# Altium PCB cheriot-test.PcbDoc (part 10 of 12) (continued)
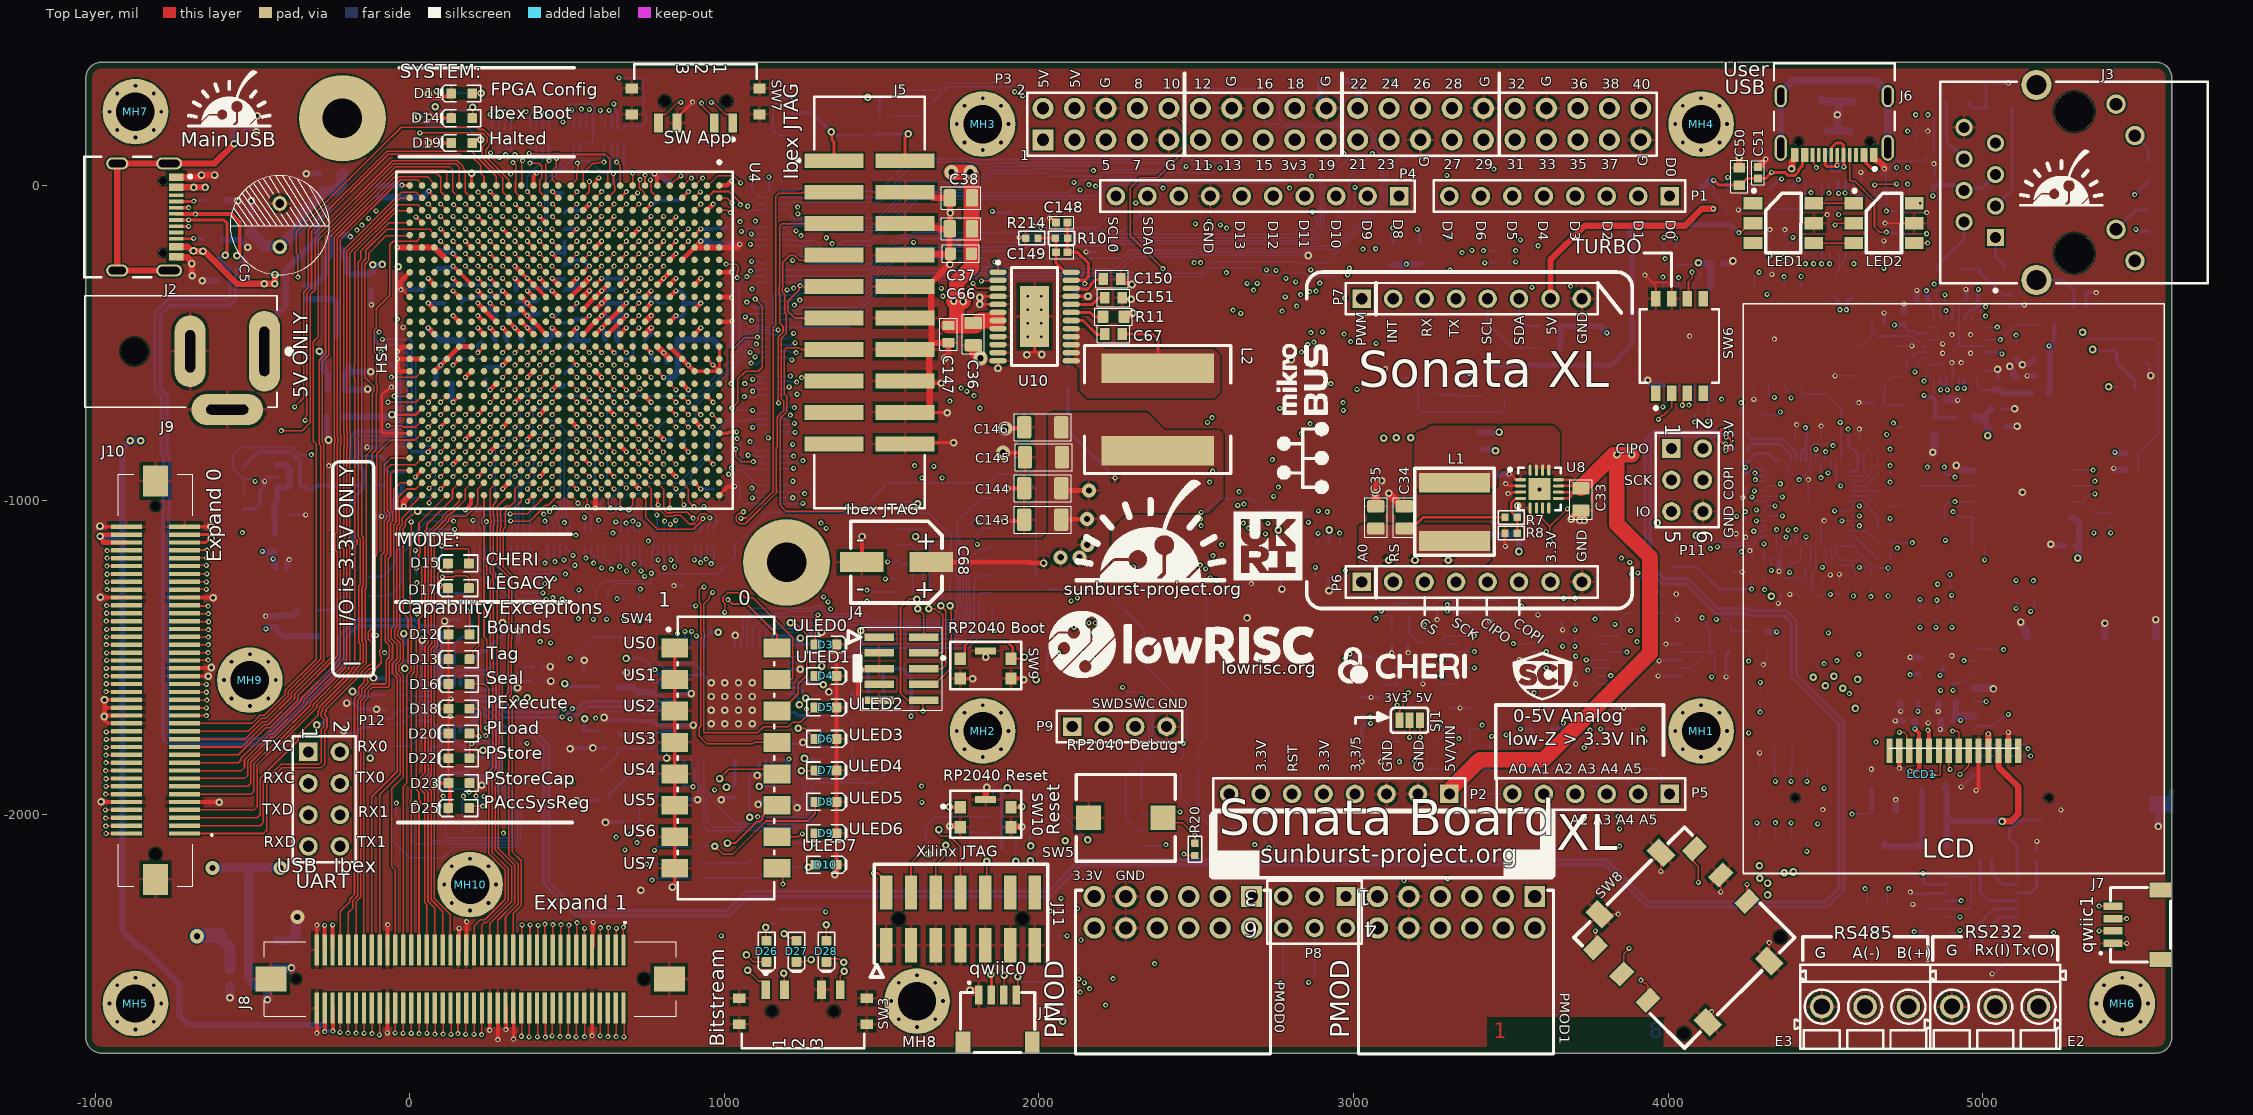
[diagram p0: Top Layer view]
## Nets (pads, with @x,y where several pads share a name; then routed paths per layer and width w, separated by ;. In a path a pad name is that pad's centre, name@x,y a point inside that pad or via, vN(x,y) a via of type N, cw(c..) or ccw(c..) an arc to the next point about the centre after c; other vN are vias at no path point) (continued)
  Bottom Layer w5: R173.3B@1177.13,-627.13 1180.53,-623.72 1194.22,-623.72 1197.28,-620.66 1203.24,-620.66 1205.74,-623.16 1228.55,-623.16 v1(1230.05,-624.66)
PMOD1_8: PMOD1.10 R173.4B | length 3759.4
  Int4 (Sign) w5: v1(1210,-605.5) 1229.58,-605.5 1239.58,-595.5 1252.42,-595.5 1256.92,-600 1460,-600 1508,-648 1508,-1117 1542,-1151 1542,-1301 1508.5,-1334.5 1508.5,-1452.93 1508,-1453.43 1508,-2100 1667.25,-2259.25 2054.89,-2259.25 2063.97,-2250.17 2066.91,-2250.17 2106.08,-2211 2152.07,-2211 2154.65,-2208.42 3097.32,-2208.42 3099.89,-2211 3105,-2211 3130,-2236 3130,-2272.63 3170.37,-2313 3229.06,-2313 3260,-2343.94 PMOD1.10@3260,-2349
  Bottom Layer w5: R173.4B@1177.13,-607.44 1178.1,-606.47 1209.03,-606.47 v1(1210,-605.5)
PMODC_1: P8.1 R194.4B | length 3741.5
  Int3 (Sign) w5: v1(958.5,-1201.5) 931.04,-1228.96 931.04,-1258.53 920,-1269.57 920,-1276.57 857.57,-1339 814.59,-1339 788.59,-1365 765.94,-1365 756.5,-1374.44 756.5,-1395.56 745,-1407.06 745,-1522.48 743.5,-1523.98 743.5,-1553.39 745,-1554.89 745,-1666.43 747,-1668.43 747,-2018 911.29,-2182.29 911.29,-2202.29 1106.5,-2397.5 1982.5,-2397.5 2107,-2522 v1(2127,-2522)
  Int4 (Sign) w5: v1(2127,-2522) 2143.69,-2505.31 2260.16,-2505.31 2273.36,-2518.5 2611.93,-2518.5 2625.12,-2505.31 2963.69,-2505.31 3029,-2440 3029,-2312.94 2992,-2275.94 P8.1@2992,-2264
  Bottom Layer w5: v1@961,-1202 960.6,-1201.6 960.6,-1196.42 966.18,-1190.84 R194.4B@966.18,-1147.13
PMODC_2: P8.2 R186.2 | length 645.9
  Int3 (Sign) w5: v1@2731,-2105 2733.09,-2107.09 2733.09,-2111.8 2875.98,-2254.7 P8.2@2875.98,-2259.92
  Bottom Layer w5: R186.2@2451,-1869 2451,-1943.72 2560.28,-2053 2693,-2053 2720,-2080 2720,-2093.94 2729,-2102.94 v1@2729,-2107
  other v1: 2730.98,-2104.92
PMODC_3: P8.3 R187.2 | length 711.8
  Int3 (Sign) w5: v1(2685.98,-2094.92) 2775.98,-2184.92 P8.3@2775.98,-2259.92
  Bottom Layer w5: R187.2@2506.3,-1863.86 2506.3,-1974.3 2575,-2043 2703,-2043 2748,-2088 2748,-2119 2741,-2126 2719,-2126 2689,-2096 v1@2684,-2096
PMODC_4: P8.4 R194.1B | length 3711
  Int3 (Sign) w5: v1(905,-1190) 903.93,-1191.07 903.93,-1205.5 900,-1209.43 900,-1247.14 890,-1257.14 890,-1264.14 845.14,-1309 802.16,-1309 776.16,-1335 713.14,-1335 697,-1351.14 697,-1484.42 709,-1496.42 709,-1542.86 713.5,-1547.36 713.5,-1565.82 715,-1567.32 715,-1678.86 717,-1680.86 717,-2030.43 728,-2041.43 728,-2072.16 740.38,-2084.54 771.11,-2084.54 798,-2111.43 798,-2131.43 1097.57,-2431 1966,-2431 2095,-2560 2117,-2560 2117,-2561 2118,-2562 2129,-2562 v1(2131,-2564)
  Int6 (Sign) w5: v1(2131,-2564) 2148.45,-2564 2152.95,-2568.5 2178.5,-2568.5 2196.25,-2550.75 2196.25,-2491.43 2199.18,-2488.5 2922.5,-2488.5 2969,-2442 P8.4@2969,-2366
  Bottom Layer w5: v1@905,-1192 906.06,-1190.94 906.06,-1148.19 R194.1B@907.13,-1147.13
PMODC_5: P8.5 R194.2B | length 3568.7
  Int3 (Sign) w5: v1(924.56,-1198.78) 924.56,-1199.01 911.04,-1212.53 911.04,-1250.24 900,-1261.28 900,-1268.28 849.28,-1319 806.3,-1319 780.3,-1345 751.01,-1345 726.51,-1369.5 724.58,-1369.5 715.5,-1378.58 715.5,-1380.51 709,-1387.01 709,-1482.28 719,-1492.28 719,-1538.72 723.5,-1543.22 723.5,-1561.68 725,-1563.18 725,-1674.72 727,-1676.72 727,-2026.28 808,-2107.28 808,-2127.28 1101.72,-2421 1970.14,-2421 2098.21,-2549.07 2124.01,-2549.07 2124.58,-2548.5 2137.42,-2548.5 2141.92,-2553 v1(2161,-2553)
  Int4 (Sign) w5: v1(2161,-2553) 2837,-2553 v1(2857,-2533)
  Bottom Layer w5: v1@925,-1195 925.36,-1195 926.81,-1193.55 R194.2B@926.81,-1147.13 ; v1@2858,-2536 2858,-2532 2875.98,-2514.02 P8.5@2875.98,-2359.92
PMODC_6: P8.6 R194.3B | length 3445.4
  Int3 (Sign) w5: v1(942.51,-1187.88) 941.88,-1188.52 941.88,-1203.38 921.04,-1224.22 921.04,-1254.39 910,-1265.43 910,-1272.43 853.43,-1329 810.44,-1329 784.44,-1355 761.8,-1355 746.5,-1370.3 746.5,-1391.42 735,-1402.92 735,-1518.34 733.5,-1519.84 733.5,-1557.53 735,-1559.03 735,-1670.57 737,-1672.57 737,-2022.14 901.08,-2186.22 901.08,-2206.22 1102.36,-2407.5 1973.5,-2407.5 2103,-2537 2114,-2537 2114.5,-2537.5 2133.42,-2537.5 2134.25,-2536.67 2142.11,-2536.67 v1(2144.21,-2534.57)
  Int4 (Sign) w5: v1(2144.21,-2534.57) 2180.43,-2534.57 2182.17,-2536.31 2766.69,-2536.31 v1(2768,-2535)
  Bottom Layer w5: v1@941,-1191 944.51,-1187.5 944.51,-1149.12 R194.3B@946.5,-1147.13 ; v1@2764,-2533 2767.02,-2533 2775.98,-2524.04 P8.6@2775.98,-2359.92
PWRIN_5V: C2.1 C3.1 C5.1 C33.1 C36.1 C37.1 C38.1 C39.1 C66.1 C147.1 P2.1 P3.2 P3.4 P7.7 Q4.2 Q5.2 R11.2 R19.2 R41.2 SJ1.3 U2.3 U8.9 U8.10 U8.11 U8.12 U10.6 U10.7 U10.8 | length 14495.2
  Top Layer w5: SJ1.3@3210.86,-1699.92 3210.86,-1738.17 3212.42,-1739.73 v1(3212.42,-1753.92)
  Top Layer w8: U8.9@3651.02,-994.45 3682.8,-994.45 C33.1@3702.83,-974.41 ; U8.10@3651.02,-974.76 3651.38,-974.41 C33.1@3702.83,-974.41 ; U8.11@3651.02,-955.08 C33.1@3707.76,-955.08 ; U8.12@3651.02,-935.39 3688.07,-935.39 C33.1@3707.76,-955.08 ; C33.1@3702.83,-974.41 3710.71,-974.41 C33.1@3722.83,-962.28 ; C33.1@3702.83,-974.41 C33.1@3714.96,-962.28 ; C33.1@3707.76,-955.08 C33.1@3714.96,-962.28 ; C33.1@3707.76,-955.08 3715.63,-955.08 C33.1@3722.83,-962.28 ; C33.1@3714.96,-962.28 C33.1@3722.83,-962.28
  Top Layer w20: P7.7@3625.98,-359.92 3625.98,-236.3 3734.65,-127.64 4053.54,-127.64 4107.26,-73.92 v1(4143.98,-73.92)
  Top Layer w25: R11.2@2270.59,-417.13 2270.59,-415.16 2275.81,-409.94 2293.28,-409.94 v2(2297.91,-405.32)
  Top Layer w50: C147.1@1712.6,-444.88 1798.12,-444.88 1813.87,-429.13 U10.7@1870.08,-429.13 ; v4(1722,42) 1772,42 v4@1780,34 ; v2(1729.5,-367.92) 1730.58,-369 v2(1759,-369) ; 1739,-428 1739,-389 ; 1739,-349 1739,-305.98 1785.43,-259.55 v4@1785.43,32.57 ; P2.1@3307,-1919 3401,-1825 3604,-1825 3942,-1487 3942,-1181 3837.01,-1076.01 v2(3837.01,-855.98) ; C33.1@3722.83,-962.28 3722.83,-959.53 3826.38,-855.98 v2(3837.01,-855.98) ; v2(3884.25,-855.98) v2(3837.01,-855.98)
  Int1 (Sign) w20: v1(3368,-597) 3549,-597 3625.98,-520.02 3625.98,-362.37 P7.7@3625.98,-359.92
  Int1 (Sign) w50: v4(-676,-2386) -725,-2337 -725,-942 -638,-855 -383,-855 -285,-757 -285,-529 v2(-287,-527) -285,-525 -285,-259 -350,-194 C5.1@-410,-194 ; C5.1@-410.98,-193.02 -259.95,-42 -176,-42 -50,84 -50,140.26 -29,161.26 -29,312.71 0.29,342 413,342 457,298 694,298 743.05,347.05 1665,347.05 ; v4@1782,37 1777,42 1718,42 1665,95 1665,347.05 ; P3.2@2009,252 2009.75,252.75 2009.75,342.29 2005,347.05 1665,347.05 ; P3.2@2012.99,245.2 P3.4@2112.99,245.2 ; P7.7@3625.98,-362.37 3643.53,-379.92 3643.53,-505.03 3837.01,-698.5 v2(3837.01,-855.98) v2(3884.25,-855.98)
  Int4 (Sign) w12: v1(3212.42,-1753.92) 3304.72,-1846.22 3304.72,-1924 P2.1@3304.72,-1933.94
  Int4 (Sign) w20: v2(1729.5,-367.92) 1730.27,-368.69 1750.69,-368.69 1967,-585 2226,-585 ; v2@2296,-406 2296,-515 2226,-585 ; P2.1@3308,-1924 3304.72,-1924 3294.79,-1924 3264,-1893.21 3264,-1873 2921,-1873 2832,-1784 2832,-1609 2309,-1086 2309,-668 2226,-585
  Bottom Layer w20: v2(-287,-527) -287,-528.08 -273.07,-542.01 -273.07,-577.26 Q5.2@-270.28,-580.06 ; Q5.2@-274.61,-584.39 -260.43,-598.57 C2.1@-260.43,-648.87 ; R19.2@3332,-596.54 3335.46,-600 v1@3371,-600 ; R41.2@4105.98,-73.39 4106.52,-73.92 v1(4143.98,-73.92)
  Bottom Layer w35: U2.3@-599,-2396 -570.87,-2424.13 C39.1@-570.87,-2490.16 ; C3.1@-502.87,-149.69 -502.87,-151.22 -461.52,-192.58 -411.58,-192.58 C5.1@-411,-192 ; C5.1@-410.48,-192.52 -340.82,-122.87 -340.82,-87.77 -271.06,-18 -236.81,-18 -216.3,2.5 -216.3,33.48 Q4.2@-211.6,38.18
  Bottom Layer w50: v4(-676,-2386) -673,-2383 U2.3@-607.68,-2383 ; v4(1722,42) v4(1782,42)
QSPI_CS: R50.1 R57.1 U17.1 | length 477.4
  Int6 (Sign) w5: v1(4705.67,-838.16) 4706.7,-838.16 4904.96,-1036.42 v1(4905.98,-1036.42)
  Bottom Layer w5: R57.1@4705.67,-862.97 v1(4705.67,-838.16) ; v1(4905.98,-1036.42) 4924.48,-1054.92 U17.1@4971.44,-1054.92 4966.3,-1060.06 R50.1@4966.3,-1149.82
QSPI_D0: R47.2 R60.1 U17.5 | length 5069.9
  Int3 (Sign) w5: v1(2090,-2385) 2090,-2411.14 2245.63,-2566.78 3872.27,-2566.78 3890.42,-2584.92 3988.28,-2584.92 3998.28,-2574.92 4038,-2574.92 4075.92,-2537 4261.13,-2537 4459.84,-2338.28 4459.84,-2326.16 4547.93,-2238.07 4547.93,-1783.93 4575.98,-1755.88 4575.98,-1670.56 4575.5,-1670.08 4575.5,-1653.92 4575.98,-1653.44 v1(4575.98,-1614.92)
  Int6 (Sign) w5: v1(4575.98,-1614.92) 4573.88,-1617.03 4563.55,-1617.03 4563.08,-1617.5 4546.92,-1617.5 4535.5,-1606.08 4535.5,-1596.08 4507.5,-1568.08 4507.5,-1553.36 4480.48,-1526.34 4480.48,-1250.3 4571.68,-1159.1 4584.07,-1159.1 4675.26,-1067.91 4675.26,-972.88 v1(4705.35,-942.79) 4793.89,-1031.32 4793.89,-1033.35 4805.31,-1044.78 4807.34,-1044.78 4824.48,-1061.92 5193.98,-1061.92 v1(5350.98,-904.92)
  Bottom Layer w5: R47.2@2052,-2385.69 2052.69,-2385 2089,-2385 v1@2090,-2386 ; R60.1@4705.35,-967.6 v1(4705.35,-942.79) ; U17.5@5280.53,-904.92 v1(5350.98,-904.92)
QSPI_D1: R48.2 R55.1 U17.2 | length 580.9
  Int6 (Sign) w5: v1(4694.54,-791.46) 4766.14,-791.46 4771.76,-785.84 4840.39,-785.84 4924.58,-870.03 4924.58,-870.94 4935.48,-881.84 4935.48,-925.1 4924.58,-936 4924.58,-991.33 v1(4910.98,-1004.92)
  Bottom Layer w5: v1(4694.54,-791.46) 4696.63,-793.55 4696.63,-801.62 R55.1@4705.67,-810.65 ; R48.2@4881.05,-1063.61 4881.05,-1019.86 4895.48,-1005.42 4910.48,-1005.42 v1(4910.98,-1004.92) U17.2@4971.44,-1004.92
QSPI_D2: R46.2 R49.2 R61.1 U17.3 | length 293
  Bottom Layer w5: R61.1@4705.35,-1019.92 4730.98,-1019.92 4795.98,-954.92 4823.76,-954.92 4880.98,-954.92 U17.3@4971.44,-954.92
QSPI_D3: R45.2 R51.2 R63.1 U17.7 | length 907.5
  Int6 (Sign) w5: v1(4705.67,-1058.16) 4719.43,-1071.92 5263.98,-1071.92 v1(5355.98,-979.92)
  Bottom Layer w5: R63.1@4705.67,-1082.97 v1(4705.67,-1058.16) ; U17.7@5280.53,-1004.92 5317.89,-1004.92 ; v1(5355.98,-979.92) 5353.88,-982.03 5340.79,-982.03 5317.89,-1004.92 ; R51.2@5405.98,-1040.24 R45.2@5353.21,-1040.24 5317.89,-1004.92
QSPI_SCLK: R52.1 R59.1 U17.6 | length 1892.1
  Int3 (Sign) w5: v1(4293,-1579) 4568,-1304 4568,-1173.91 4720.85,-1021.06 4720.85,-928.92 4705.67,-913.74 v1(4705.67,-890.48)
  Int6 (Sign) w5: v1(4705.67,-890.48) 4820.97,-1005.78 4821.46,-1005.78 4832.89,-1017.2 4832.89,-1017.69 4867.12,-1051.92 5004.46,-1051.92 5191.46,-864.92 5345.98,-864.92 5375.98,-894.92 5375.98,-919.92 v1(5355.98,-939.92)
  Bottom Layer w5: R52.1@4291,-1611.32 4293,-1609.32 4293,-1582 v1@4295,-1580 ; R59.1@4705.67,-915.29 v1(4705.67,-890.48) ; U17.6@5280.53,-954.92 5340.98,-954.92 v1(5355.98,-939.92)
RGBLED0: Q3.1 R193.2 R205.1 U4.G16 | length 6616.9
  Top Layer w5: U4.G16@748.03,-590.55 v1(767.72,-610.24)
  Int1 (Sign) w5: v1(1082.32,-530.55) 1084.43,-528.44 1143.33,-528.44 1184.89,-570 1292.28,-570 1296.78,-574.5 1603,-574.5 ; 1603.75,-573.75 1786.75,-573.75 1873,-660 1914.86,-660 1987.5,-587.36 1987.5,-586.5 2165.5,-408.5 2165.5,-370.08 2175.5,-360.08 2175.5,-343.92 2165.5,-333.92 2165.5,-204.58 2159,-198.08 v1(2159,3)
  Int3 (Sign) w5: v1@2158.93,4.93 v1@2158.93,7 ; v1@2159,7 2159.41,6.59 2162.59,6.59 2174,18 2568,18 2585,1 ; 2585,0.16 2585,-48 2608,-71 2826.58,-71 2862.58,-107 3941,-107 3977.04,-70.96 4037.36,-70.96 4128.79,20.47 4128.79,22.5 4283.29,177 4681,177 4749,245 4801.07,245 4804,242.07 4804,68.5 4895.98,-23.48 4895.98,-199.98 5162.22,-466.22 v2(5317.32,-466.22)
  Int4 (Sign) w5: v1(767.72,-610.24) 800.96,-577 825.93,-577 835.93,-567 867.78,-567 889.77,-545 1018.62,-545 1035.62,-528 1056.21,-528 1058.76,-530.55 v1(1082.32,-530.55)
  Bottom Layer w5: v2(5317.32,-466.22) 5338.98,-487.87 Q3.1@5510.24,-487.87 5543.7,-487.87 5557.48,-501.65 5557.48,-789.06 R193.2@5494.49,-852.05 R205.1@5494.49,-903.23
RGBLED_EN: Q7.1 U4.H16 | length 2912
  Top Layer w5: U4.H16@708.66,-590.55 v1(728.35,-610.24)
  Int4 (Sign) w5: v1(728.35,-610.24) 745.8,-610.24 783.03,-573 790.81,-573 796.81,-567 821.79,-567 853.79,-535 1014.48,-535 1043.48,-506 1084.18,-506 1086.36,-503.82 v1(1102.18,-503.82)
  Int6 (Sign) w5: v1@2972,-360 2970,-360 2939,-391 2939,-618.88 2943.1,-622.98 2943.1,-623.1 2968,-648 v1(3011,-648)
  Bottom Layer w5: v1(1102.18,-503.82) 1089.5,-491.14 1089.5,-475.58 1098.58,-466.5 1111.42,-466.5 1114.92,-470 1146.11,-470 1150.46,-474.35 1177.42,-474.35 1201.77,-450 1401,-450 1552,-299 1644,-299 1645.5,-300.5 1779.58,-300.5 1785.08,-295 1803.08,-295 1810.58,-287.5 1823.42,-287.5 1834.42,-298.5 2008.99,-298.5 2010.99,-296.5 2152.42,-296.5 2154.92,-299 2262,-299 2271.5,-289.5 2515.64,-289.5 2543.64,-261.5 2698.5,-261.5 2707.5,-270.5 2707.5,-274.42 2716.58,-283.5 2720.5,-283.5 2722.5,-285.5 2761.62,-285.5 2767.62,-279.5 2846.56,-279.5 2855.06,-288 2934,-288 2969,-323 2969,-350 2969.9,-350.9 2969.9,-355.9 v1(2972,-358) ; v1(3011,-648) 3012,-649 3028,-649 Q7.1@3029,-650
RP2040_CLK: R70.1 U4.P20 | length 5235.9
  Top Layer w5: v1(452.76,-767.72) U4.P20@472.44,-748.03
  Int1 (Sign) w5: v1(445.13,-1036.75) 445.13,-1016.95 446,-1016.08 446,-1008 468.26,-985.74 468.26,-783.22 v1(452.76,-767.72) ; v1(1324,-1090) 1338,-1076 1367.51,-1076 1368.01,-1076.5 1413.99,-1076.5 1414.49,-1076 1761,-1076 1805,-1120 1805,-1140.5 v1(1804.5,-1141)
  Int4 (Sign) w5: v1(445.13,-1036.75) 446.88,-1038.5 465.5,-1038.5 476.42,-1049.42 476.42,-1077.63 494.29,-1095.5 560.86,-1095.5 585.86,-1120.5 720.5,-1120.5 738.2,-1102.8 1058.06,-1102.8 1118.12,-1042.74 1299.66,-1042.74 1324,-1067.08 v1(1324,-1090) ; v1(1804.5,-1141) 1855.95,-1192.45 1855.95,-1203.95 1905.29,-1253.29 2006,-1253.29 2034.29,-1225 2290.08,-1225 2296.87,-1231.8 v1(2296.87,-1232.77) v1@2297,-1232.89 ; v1@2479.62,-1191.62 2479.95,-1191.29 v1(2480.71,-1191.29) v1@2481,-1191 ; v1@2481,-1191.29 2531.12,-1191.29 2531.83,-1192 2660,-1192 2702,-1150 2702,-1103 2714.5,-1090.5 2737.92,-1090.5 2816.42,-1012 2905.64,-1012 2915.14,-1021.5 2923.42,-1021.5 2932.5,-1030.58 2932.5,-1043.5 2973,-1084 ; 2974.46,-1083.46 3263.53,-1083.46 3266.85,-1080.15 3567.84,-1080.15 3578.06,-1069.92 3617.38,-1069.92 3657.66,-1110.21 3683.85,-1110.21 4043.56,-1469.92 4445.98,-1469.92 v1(4495.98,-1519.92)
  Int6 (Sign) w5: v1(2296.87,-1232.77) 2400.23,-1232.77 2441.71,-1191.29 v1(2480.71,-1191.29) 2483.29,-1191.29 v1@2485,-1193 ; v1(4495.98,-1519.92) 4495.98,-1459.92 4595.98,-1359.92 4595.98,-1322.73 4590.64,-1317.39 4590.64,-1306.84 v1(4588.54,-1304.73)
  Bottom Layer w5: v1(4588.54,-1304.73) 4588.54,-1302.36 4594.18,-1296.72 R70.1@4594.18,-1279.92
RP2040_LED0: D26.K U11.38 | length 5231.2
  Top Layer w5: v2(1070.43,-2445.57) 1070.85,-2445.57 1092.8,-2467.52 D26.K@1134.53,-2467.52
  Int1 (Sign) w5: v2(1070.43,-2445.57) 1074.06,-2441.94 1089.7,-2441.94 1092.64,-2439 1220,-2439 1263,-2396 2074,-2396 2095.5,-2417.5 2342.8,-2417.5 2343.8,-2416.5 3031.65,-2416.5 3032.65,-2417.5 3720.5,-2417.5 3729.57,-2408.44 3729.57,-2386.69 3828.26,-2288 4079.39,-2288 4110.93,-2319.54 4118.32,-2319.54 4272.22,-2165.64 4286.36,-2165.64 v2(4290,-2162) ; v1(4274.18,-970.57) 4343.21,-970.57 4349.32,-964.46 4384.6,-964.46 4390.71,-970.57 4602.57,-970.57 4614.93,-982.93 4629.07,-982.93 4643.28,-997.14 4643.28,-1285.39 4624.04,-1304.64 4624.04,-1471.91 4631.48,-1479.36 4631.48,-1500.48 4591.47,-1540.5 4589.78,-1540.5 4572.5,-1557.78 4572.5,-1559.47 4562.97,-1569 4548.83,-1569 4528.83,-1589 4503,-1589 4502,-1590 v2(4500,-1590)
  Int4 (Sign) w5: v2@4290,-2160 4292,-2160 4307.5,-2144.5 4307.5,-1891.2 4316.08,-1882.62 4316.08,-1773.92 v2(4500,-1590)
  Bottom Layer w5: v1(4274.18,-970.57) 4274.49,-970.88 4309.85,-970.88 U11.38@4310.16,-971.19
RP2040_LED1: D27.K U11.37 | length 4954.4
  Top Layer w5: D27.K@1229.53,-2467.52 1253.48,-2467.52 1256.86,-2464.14 1272.36,-2464.14 v2(1276,-2460.5)
  Int1 (Sign) w5: v2(1276,-2460.5) 1280.58,-2460.5 1292.08,-2449 2353.72,-2449 2355.22,-2447.5 2381.92,-2447.5 2383.42,-2449 3775,-2449 3831,-2393 4178,-2393 v2(4316,-2255) ; v1(4362.91,-989.96) 4375.88,-1002.93 4378.9,-1002.93 4620.36,-1002.93 4623.28,-1005.86 4623.28,-1277.11 4604.04,-1296.35 4604.04,-1463.79 4527.33,-1540.5 4505.25,-1540.5 4492.96,-1552.78 4473.43,-1552.78 4463.21,-1563 v2(4461,-1563)
  Int4 (Sign) w5: v2(4316,-2255) 4289.62,-2255 4267.5,-2232.88 4267.5,-2070.66 4297.5,-2040.66 4297.5,-1887.06 4306.08,-1878.48 4306.08,-1717.92 v2(4461,-1563)
  Bottom Layer w5: U11.37@4310.16,-986.93 4311.59,-988.37 4361.32,-988.37 v1(4362.91,-989.96)
RP2040_LED2: D28.K U11.36 | length 5081.8
  Top Layer w5: D28.K@1324.53,-2467.52 1333.84,-2458.21 1364.57,-2458.21 1374.86,-2468.5 v2(1380,-2468.5)
  Int1 (Sign) w5: v2(1380,-2468.5) 1380.08,-2468.42 2350.66,-2468.42 2361.58,-2457.5 2377.78,-2457.5 2379.28,-2459 4153,-2459 4365.44,-2246.56 4365.44,-2192.84 v2@4371.28,-2187 ; v1(4266.02,-989.92) 4338,-989.92 4353.46,-974.46 4380.46,-974.46 4381.98,-975.98 4398.93,-992.93 4624.93,-992.93 4633.28,-1001.28 4633.28,-1281.25 4614.04,-1300.49 4614.04,-1476.06 4621.48,-1483.5 4621.48,-1496.34 4587.33,-1530.5 4585.64,-1530.5 4562.5,-1553.64 4562.5,-1555.33 4558.83,-1559 4528,-1559 v2(4527,-1560)
  Int4 (Sign) w5: v2(4369.07,-2184.07) 4365.44,-2180.43 4365.44,-2169.44 4364,-2168 4364,-2103.95 4468.82,-1999.13 4498.26,-1999.13 4543.6,-1953.8 4543.6,-1726.84 4588.94,-1681.5 4603.08,-1681.5 4614.5,-1670.08 4614.5,-1653.92 4603.08,-1642.5 4586.92,-1642.5 4583.42,-1646 4571,-1646 4527,-1602 v2(4527,-1560)
  Bottom Layer w5: v1(4266.02,-989.92) 4278.78,-1002.68 U11.36@4310.16,-1002.68
RP2040_LED3: R156.1 U11.27 | length 6744.3
  Int3 (Sign) w5: v1(3533,-632) 3582,-583 4214,-583 4248.18,-617.18 4248.18,-694.65 4230.8,-712.03 4087.88,-712.03 4070.91,-729 3974.56,-729 3973.37,-727.81 3825.19,-727.81 3763,-790 3763,-1216 3817,-1270 3950,-1270 4007.08,-1212.92 4316.16,-1212.92 4326.24,-1223 v1(4328,-1223)
  Int4 (Sign) w5: v2(87,300) 109,322 416.78,322 451.32,356.54 452.78,358 666.9,362.02 ; 666.93,362.02 ccw(c666.81,367.02) 670.34,363.48 670.86,364 1203.7,364 1283.14,358 1636.57,4.57 1974.57,4.57 1976,6 2059,6 ; 2060,7 2063.57,3.43 2091.65,3.43 2142.58,-47.5 2184.49,-47.5 2194.99,-58 2216.28,-58 2218.28,-60 2218.42,-60 2229.42,-71 2375,-71 2393.21,-52.79 2393.21,-33.09 2429.39,3.09 2583.91,3.09 2600,-13 2600,-60.07 2602.93,-63 2617.13,-63 2628.13,-74 2677.14,-74 2725.61,-122.47 3089.45,-122.47 3117.99,-151.01 3161.81,-151.01 3165.75,-154.95 3271.03,-154.95 3295.62,-179.54 3295.76,-179.54 3329.5,-213.28 3329.5,-219.42 3338.58,-228.5 3346.5,-228.5 3356,-238 3387.08,-238 3410.58,-261.5 3504.5,-261.5 v1(3567,-324)
  Int6 (Sign) w5: v1@3531,-632 v1(3533,-632) 3576,-589 3576,-335.98 3567,-326.98 v1(3567,-324)
  Bottom Layer w5: v2(87,300) 87.19,299.81 105.27,299.81 R156.1@112.41,292.68 ; v1(4328,-1223) 4328,-1188.99 4337.17,-1179.82 4352,-1179.82 4359.37,-1172.45 U11.27@4359.37,-1146.38
RP2040_N: R58.1 U12.4 | length 7224
  Top Layer w10: v1@4184,-843 4185.15,-841.85 4192.15,-841.85 4201,-833 4201,-808.86 4195.14,-803 4188.62,-803 4185.62,-800 v1(4184,-800)
  Bottom Layer w10: U12.4@213.96,-1662.02 215.8,-1663.86 244.49,-1663.86 260.63,-1680 263.23,-1680 289,-1705.77 289,-1708.37 301.63,-1721 385.63,-1721 442,-1777.37 442,-2213 534,-2305 1008,-2305 1069,-2244 2029,-2244 2130.08,-2142.92 3803.55,-2142.92 3937.63,-2277 4499,-2277 4542,-2234 4542,-1712 4392,-1562 4392,-1390 4369,-1367 4255,-1367 4249.38,-1361.38 4151.38,-1361.38 4056,-1266 3980.37,-1266 3927,-1212.63 3927,-806.37 3952.99,-780.38 4161.62,-780.38 4181.24,-800 v1(4184,-800) ; v1(4182.76,-843) 4185.84,-839.92 R58.1@4211.61,-839.92 R58.1@4204.8,-833.11
RP2040_NRST: R71.1 R74.2 SW10.1 SW10.2 U11.26 | length 5261
  Top Layer w10: v2(1715,-1975) 1716,-1975 1717.38,-1976.38 SW10.1@1750,-1976.38 ; SW10.2@1911.42,-1976.38 1943.62,-1976.38 v2(1946,-1974)
  Int1 (Sign) w5: v1(969,-1921) 981,-1933 1673,-1933 1713,-1973 v2@1716,-1973 ; v2(1715,-1975) 1715.5,-1974.5 v2@1946.5,-1974.5 ; v2@1949,-1977 v2@1946.5,-1974.5 ; v2@1952,-1974 1951.5,-1974.5 v2@1946.5,-1974.5 ; v1(3830.98,-1394.92) 3743.21,-1394.92 3710.22,-1427.92 3467.22,-1427.92 3169.83,-1725.31 2588.8,-1725.31 2536.38,-1672.89 2347.04,-1672.89 2308.56,-1634.42 2035,-1634.42 1946,-1723.42 v2(1946,-1974) v2@1946.5,-1974.5
  Int3 (Sign) w5: v1(3830.98,-1394.92) 4196.47,-1394.92 v1(4306.72,-1284.67)
  Int6 (Sign) w5: v1(189.2,-1928.08) 191.31,-1925.97 204.11,-1925.97 204.58,-1925.5 220.8,-1925.5 221.3,-1926 365.5,-1926 410,-1881.5 522.5,-1881.5 524,-1883 550,-1883 629,-1962 778.5,-1962 819.5,-1921 889.08,-1921 894.58,-1926.5 907.42,-1926.5 912.92,-1921 v1(969,-1921) ; v1(4306.72,-1284.67) 4305.67,-1283.62 4305.67,-1186.1 v1(4375.12,-1116.65)
  Bottom Layer w5: R74.2@62.13,-1852.13 62.13,-1912.13 70,-1920 ; 70,-1919.5 182.5,-1919.5 189.2,-1926.2 v1(189.2,-1928.08) ; R71.1@4305.67,-1250.05 4306.72,-1251.11 v1(4306.72,-1284.67) ; U11.26@4375.12,-1146.38 v1(4375.12,-1116.65)
RP2040_P: R56.1 U12.5 | length 7224.9
  Top Layer w10: v1(4182.76,-821) 4181.62,-819.85 4172.85,-819.85 4164,-811 4164,-781.86 4169.86,-776 v1@4184,-776
  Bottom Layer w10: U12.5@213.96,-1681.71 215.8,-1679.86 237.86,-1679.86 254,-1696 256.6,-1696 273,-1712.4 273,-1715 295,-1737 379,-1737 426,-1784 426,-2219.63 527.37,-2321 1014.63,-2321 1075.63,-2260 2035.63,-2260 2136.71,-2158.92 3796.92,-2158.92 3931,-2293 4505.63,-2293 4558,-2240.63 4558,-1705.37 4408,-1555.37 4408,-1383.37 4375.63,-1351 4261.63,-1351 4256.01,-1345.38 4158.01,-1345.38 4062.63,-1250 3987,-1250 3943,-1206 3943,-813 3959.62,-796.38 4154.99,-796.38 4166,-807.38 4166,-807.46 v1@4176.54,-818 ; v1(4187,-776) 4191.79,-780.79 4204.49,-780.79 R56.1@4211.3,-787.6 R56.1@4204.49,-794.42
RP2040_PREQ: R171.2 U11.8 | length 1975.4
  Int1 (Sign) w5: v1(2856.69,-1070.42) 2872.5,-1086.22 2904.2,-1086.22 2914.92,-1075.5 2931.08,-1075.5 2941.8,-1086.22 3472.29,-1086.22 3497.38,-1111.32 3529.74,-1111.32 3549.74,-1131.32 3598.81,-1131.32 3617.99,-1112.14 3773.2,-1112.14 3836.53,-1175.47 3839.48,-1175.47 3848.01,-1184 v1(3850.98,-1184)
  Int3 (Sign) w5: v1(3850.98,-1184) 3853.37,-1184 3863.14,-1174.23 3866.67,-1174.23 3906.91,-1134 3988.86,-1134 3996.25,-1141.39 4076.21,-1141.39 4076.76,-1141.93 4101.2,-1141.93 4106.13,-1137 4132.14,-1137 4135.98,-1133.16 4211.24,-1133.16 4230.48,-1113.92 4230.48,-1111.24 4260.55,-1081.18 4299.07,-1081.18 4361.81,-1018.43 v1(4607.78,-1018.43)
  Bottom Layer w5: R171.2@2835.69,-1030 2856.69,-1051.01 v1(2856.69,-1070.42) 2856.69,-1070.69 v1@2857,-1071 ; U11.8@4581.81,-1018.43 v1(4607.78,-1018.43)
RP2040_RX: R68.1 U4.M25 | length 7641
  Top Layer w5: U4.M25@551.18,-944.88 v1(570.87,-964.57)
  Int3 (Sign) w5: v1(991,-2385) 1037.43,-2385 1093.43,-2441 1905,-2441 2131,-2667 3345,-2667 3388,-2624 3854,-2624 3866,-2636 4074,-2636 4106,-2668 4689,-2668 4717,-2640 4717,-2293.3 4736.48,-2273.81 4736.48,-2073.46 4630.48,-1967.46 4630.48,-1798.52 v1(4660,-1769)
  Int6 (Sign) w5: v1(570.87,-964.57) 603.3,-997 631.83,-997 634.9,-1000.07 664.31,-1000.07 667.38,-997 698.62,-997 710.22,-1008.6 718.6,-1008.6 749,-1039 749,-1063.1 771,-1085.1 771,-1086 839.5,-1154.5 844.59,-1154.5 877.09,-1187 882,-1187 889.5,-1194.5 889.5,-1196.42 907.36,-1214.28 926.28,-1214.28 1010,-1298 1017.92,-1298 1027,-1307.08 1027,-1326.42 1016.17,-1337.25 998.83,-1337.25 985.5,-1350.58 985.5,-1364.5 993.5,-1372.5 1007.5,-1372.5 1191.62,-1556.62 1191.62,-1558 1220.62,-1587 1222,-1587 1244.69,-1609.69 1266.69,-1609.69 1283.12,-1626.12 1283.12,-1630.08 1297,-1643.97 1297,-1955 1202,-2050 1127,-2050 1126,-2051 933,-2051 924,-2060 924,-2227 961,-2264 967,-2264 991,-2288 v1(991,-2385) ; v1(4660,-1769) 4660,-1591 4579,-1510 4579,-1478 4595.98,-1461.02 4595.98,-1429.92 4675.98,-1349.92 4675.98,-1327.56 v1(4698.81,-1304.73)
  Bottom Layer w5: v1(4698.81,-1304.73) 4698.81,-1297.77 R68.1@4698.81,-1279.92
RP2040_SPARE: R69.1 U4.P4 | length 5776
  Top Layer w5: v1(454.39,-98.6) 454.39,-99.33 472.44,-117.38 U4.P4@472.44,-118.11
  Int1 (Sign) w5: v1(2513.2,-1060.03) 2500,-1046.83 2500,-997 2523,-974 2595.5,-974 2596.5,-975 2634.46,-975 v1(2636.5,-972.96)
  Int4 (Sign) w5: v1(454.39,-98.6) 470,-82.99 470,-8 469,-7 469,20 488,39 493,39 493.57,39.57 610.51,39.57 629.08,21 649,21 ; 649,22 669.78,22 706.64,58.87 747.23,58.87 809.36,121 1143.14,121 1535.14,-271 1918.5,-271 1932.5,-285 2210.09,-285 2211.59,-286.5 2282.41,-286.5 2283.91,-285 2315.86,-285 2368,-337.14 2368,-986 2442.03,-1060.03 v1(2513.2,-1060.03) ; v1(2636.5,-972.96) 2752.42,-972.96 2753.46,-974 2880.06,-974 2908.06,-1002 2909.78,-1002 2919.28,-1011.5 2927.56,-1011.5 2942.5,-1026.44 2942.5,-1034.72 2981.24,-1073.46 3255.1,-1073.46 3268.65,-1059.92 3544.22,-1059.92 3555,-1049.15 3567.84,-1049.15 3578.61,-1059.92 3647.7,-1059.92 3651.84,-1064.06 3651.84,-1077.07 3674.98,-1100.21 3687.99,-1100.21 4047.7,-1459.92 4485.98,-1459.92 v1(4535.98,-1509.92)
  Int6 (Sign) w5: v1(4535.98,-1509.92) 4535.98,-1459.92 4650.58,-1345.33 4650.58,-1324.41 4646.29,-1320.12 4646.29,-1308.52 v1(4644.18,-1306.41)
  Bottom Layer w5: v1(4644.18,-1306.41) 4644.18,-1281.6 R69.1@4646.49,-1279.29
RP2040_SW0: SW3.1 U11.41 | length 5426
  Top Layer w5: v2(1074,-2494) 1108.6,-2528.6 1120.77,-2528.6 1132.05,-2539.88 SW3.1@1132.05,-2555.63
  Int1 (Sign) w5: v2(1074,-2494) 1171.42,-2494 1216.42,-2449 1224.14,-2449 1244.14,-2429 2345.44,-2429 2347.94,-2426.5 2369.06,-2426.5 2370.06,-2427.5 3732.6,-2427.5 3828.49,-2331.61 4182.39,-2331.61 4291,-2223 4291,-2210.5 v2(4291,-2202) ; v1(4275.84,-914.03) 4297.87,-892 4493.25,-892 4497.67,-887.59 4518.79,-887.59 4523.2,-892 4610,-892 4674,-956 4674,-1286.03 4679.68,-1291.71 4679.68,-1321.12 4674,-1326.8 4674,-1583 v2(4595,-1662)
  Int4 (Sign) w5: v2(4291,-2202) 4296.14,-2202 4306.64,-2191.5 4313.96,-2191.5 4317.5,-2187.96 4317.5,-1895.34 4339,-1873.84 4339,-1765.14 4442.14,-1662 v2(4595,-1662)
  Bottom Layer w5: v1(4275.84,-914.03) 4277.95,-914.03 4287.86,-923.94 U11.41@4310.16,-923.94
RP2040_SW1: SW3.2 U11.40 | length 5239.9
  Top Layer w5: v2(1189,-2504) 1191.1,-2506.1 SW3.2@1191.1,-2555.63
  Int1 (Sign) w5: v2(1189,-2504) 1254,-2439 2349.58,-2439 2352.08,-2436.5 2364.92,-2436.5 2365.92,-2437.5 3772.36,-2437.5 3829.86,-2380 4154,-2380 4315.97,-2218.03 v2(4315.97,-2217.07) ; v1(4277,-935) 4310,-902 4497.39,-902 4501.81,-897.59 4514.65,-897.59 4521.06,-904 4601,-904 4660,-963 4660,-985.57 4663.28,-988.86 4663.28,-1289.45 4669.68,-1295.85 4669.68,-1316.98 4663.28,-1323.37 4663.28,-1503.86 4634.04,-1533.1 4634.04,-1537.96 v2(4602,-1570)
  Int4 (Sign) w5: v2(4315.97,-2217.07) 4318.9,-2220 4384.68,-2220 4403.18,-2201.5 4406.08,-2201.5 4417.5,-2190.08 4417.5,-2187.18 4614.5,-1990.18 4614.5,-1698.36 4634.5,-1678.36 4634.5,-1645.64 4611.36,-1622.5 4608.14,-1622.5 4602,-1616.36 v2(4602,-1570)
  Bottom Layer w5: v1(4277,-935) 4281.69,-939.69 U11.40@4310.16,-939.69